# Altium PCB PCB.PcbDoc (part 2 of 4)
Units mil, origin at the board's own origin, x right, y up, seen from the top; angles counter-clockwise.
Board outline 3543.31 x 3543.31 mil, 6 copper layers (Component Side, Top GND, Dummy Layer, Fast Signals, Bottom GND, Solder Side), stack 58.819 mil thick; 209 components, 240 nets, 1195 pads, 663 vias.
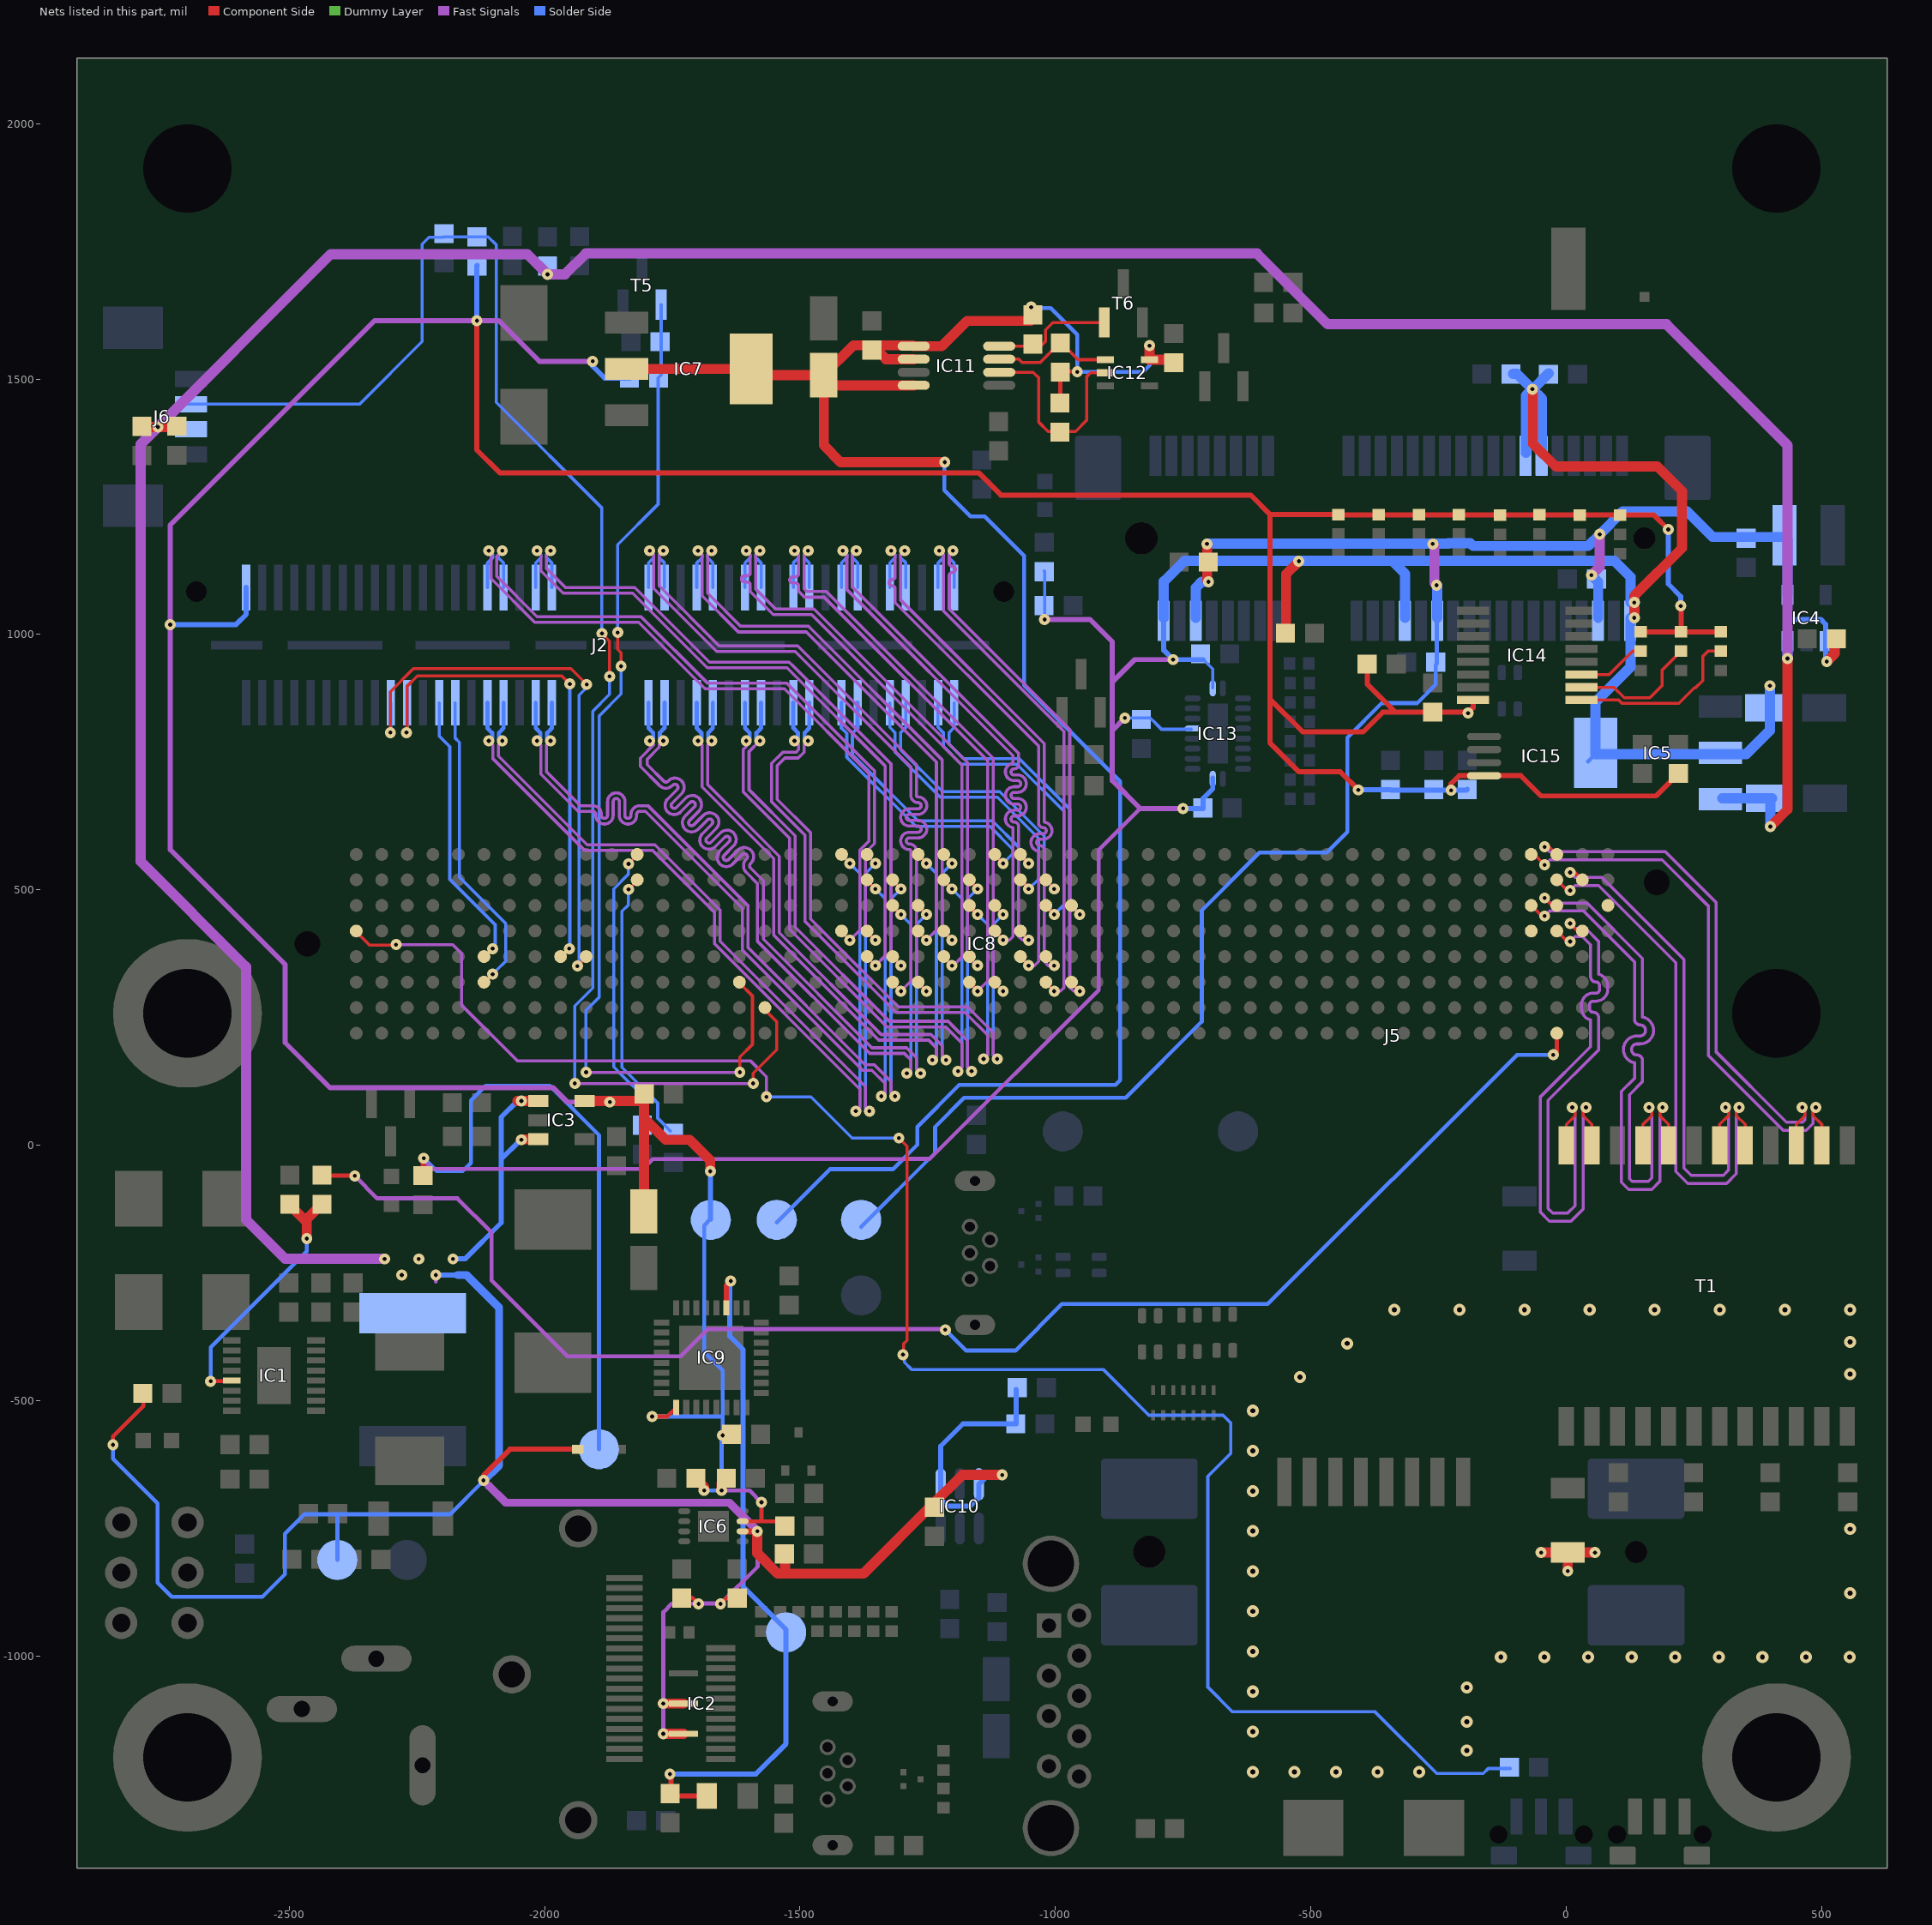
[diagram p6: the nets of this part, all layers, seen from the top]

## Via types
v1: diameter 21.65, hole 7.87, Component Side to Solder Side, tented both sides, 463 vias
v2: diameter 23.62, hole 9.84, Component Side to Solder Side, tented both sides, 102 vias
v3: diameter 21.65, hole 7.87, Component Side to Solder Side, 96 vias
v4: diameter 19.68, hole 7.87, Component Side to Solder Side, 1 vias
v5: diameter 23.62, hole 9.84, Component Side to Solder Side, 1 vias

## Nets (pads, with @x,y where several pads share a name; then routed paths per layer and width w, separated by ;. In a path a pad name is that pad's centre, name@x,y a point inside that pad or via, vN(x,y) a via of type N, cw(c..) or ccw(c..) an arc to the next point about the centre after c; other vN are vias at no path point)
1V5: C13.2 C14.1 C36.1 C37.1 IC4.4 J5.6 J5.28 J5.48 L8.2 TP5.1 | length 3739
  Component Side w19.68: v1(-703.55,1177.16) -702.95,1176.56 -702.95,1143.7 -702.95,1105.56 v1(-700.55,1103.16)
  Fast Signals w20: v3(-261.42,1177.16) -258.31,1174.05 -258.31,1100.63 v1(-254.13,1096.46) ; v3(49.02,1116.14) 65.41,1132.54 v3(65.41,1196)
  Solder Side w7.87: TP5.1@-1380.55,-159.84 -1235.54,-14.83 -1235.54,36.17 -1178.55,93.16 -862.55,93.16 -713.55,242.16 -713.55,459.91 -600.3,573.16 -468.9,573.16 -428.74,613.31 -428.74,798.03 -361.2,865.57 -291.94,865.57 -255.54,901.97 -255.54,940.91 -253.54,942.91 -253.54,1031.5 J5.28@-252.56,1032.48
  Solder Side w20: J5.6@-725,1032.48 -725,1091.71 -713.55,1103.16 v1(-700.55,1103.16) ; v1(-703.55,1177.16) -703.07,1177.64 v3@-260.94,1177.64 ; v3(-261.42,1177.16) v3@-260.94,1177.64 ; J5.28@-252.56,1032.48 v1@-252.56,1096.46 ; -230.51,1177.64 v3@-260.94,1177.64 ; -230.51,1178.61 -188.24,1178.61 -182.79,1173.16 42.57,1173.16 v3(65.41,1196) 110.28,1240.87 236.22,1240.87 286.27,1190.83 352.17,1190.83 L8.2@423.9,1190.83 ; v3(49.02,1116.14) 62.4,1102.76 J5.48@62.4,1032.48 ; IC4.4@432.87,1077.76 L8.2@432.87,1187.99
1V8: C9.1 C10.1 C26.2 C28.2 C61.2 IC3.6 IC6.7 IC9.1 IC14.16 IC15.8 J2.80 R3.2 R10.2 R11.2 R20.2 R26.2 R34.2 R42.2 R43.2 R49.2 R50.2 R51.1 R55.2 R56.2 R57.1 R61.2 R62.2 R63.1 R67.2 R68.2 R71.2 TP3.1 | length 9900.6
  Component Side w7.87: v1(-1789.55,-530.84) -1760.01,-530.84 IC9.1@-1742.45,-513.28 ; IC6.7@-1612.46,-736 -1534.39,-736 C26.2@-1529.55,-740.84 ; -1575.55,-736 v1(-1575.55,-698.84) v1@-1573.45,-700.95
  Component Side w10: v1(-2132.55,1614.16) -2132.55,1431.76 -2132.68,1431.64 -2132.68,1361.42 -2087.67,1316.41 -1150.27,1316.41 -1106.81,1272.95 -617.83,1272.95 -579.53,1234.65 -446.85,1234.65 R68.2@-446.46,1234.25 R62.2@-367.32,1234.25 R56.2@-288.58,1234.25 R50.2@-210.24,1234.25 R61.2@-52.36,1234.25 R49.2@104.72,1234.25 ; -580.32,1232.28 -580.32,873.62 ; v3(-407.09,695.67) -442.48,731.07 -523.19,731.07 -580.32,788.19 -580.32,873.62 ; R43.2@-389.96,942.12 -389.96,902.96 -334.84,847.83 ; v3(-225.59,694.88) -225.59,707.87 -210.04,723.43 IC15.8@-161.02,723.43 -89.17,723.43 -49.61,683.86 175.39,683.86 R71.2@219.29,727.76 ; v3@-192.52,847.83 C28.2@-261.81,847.83 -334.84,847.83 ; v3@-191.54,847.83 -182.68,856.69 IC14.16@-182.68,871.56 ; R49.2@105.12,1233.86 171.26,1233.86 v3(199.61,1205.51) ; R63.1@145.67,1005.12 R57.1@224.41,1005.12 ; v3(224.02,1055.91) 224.41,1055.51 R57.1@224.41,1005.12 ; R51.1@302.16,1005.12 R57.1@224.41,1005.12 ; -580.32,873.62 -516.14,809.45 -397.64,809.45 -359.25,847.83 -334.84,847.83
  Component Side w19.68: IC3.6@-1921.46,86.61 -1810.62,86.61 -1805.55,91.68 C9.1@-1805.55,-136.61 ; -1804.33,51.98 -1763.18,10.83 -1716.22,10.83 -1675.55,-29.84 v1(-1675.55,-50.84) ; R11.2@-1704.84,-651.84 -1687.65,-669.03 v3(-1687.65,-675.74) ; v3(-1653.45,-675.74) -1653.45,-662.14 R10.2@-1643.15,-651.84 ; v1(-1651.55,-567.84) -1649.55,-565.84 R20.2@-1624.45,-565.84
  Fast Signals w7.87: v3(-1653.45,-675.74) -1598.65,-675.74 v1(-1575.55,-698.84)
  Fast Signals w10: v1(-1905.91,1534.65) -2010.24,1534.65 -2089.75,1614.16 v1(-2132.55,1614.16) -2332.69,1614.16 -2732.68,1214.17 v3(-2732.68,1019.29) -2732.68,578.74 -2507.87,353.94 -2507.87,200.79 -2419.96,112.87 -1983.15,112.87 -1954.92,84.65 v1(-1872.24,84.65)
  Solder Side w7.87: v1(-1789.55,-530.84) -1651.55,-530.84 ; v3(-1687.65,-675.74) v3(-1653.45,-675.74) -1653.45,-569.74 v1(-1651.55,-567.84) -1651.55,-530.84 ; TP3.1@-1675.55,-144.84 -1687.55,-156.84 -1687.55,-404.84 -1651.55,-440.84 -1651.55,-530.84
  Solder Side w10: v3@-2732.68,1016.54 -2735.83,1016.54 -2738.58,1019.29 -2603.94,1019.29 -2584.21,1039.02 J2.80@-2584.21,1091.89 ; v1(-2132.55,1614.16) -2132.55,1721.98 R34.2@-2132.09,1722.44 ; v1(-1905.91,1534.65) -1905.91,1525.2 -1882.68,1501.97 R3.2@-1832.76,1501.97 ; TP3.1@-1675.55,-144.84 v1(-1675.55,-50.84) ; v3(-407.09,695.67) -344.69,695.67 R42.2@-344.1,696.26 -342.72,694.88 v3(-225.59,694.88) -195.87,694.88 C61.2@-194.1,696.65 ; v3(199.61,1205.51) 199.61,1098.82 224.02,1074.41 v3(224.02,1055.91)
  other v3: -192.52,846.06
3V3: C8.1 C38.1 C39.1 C46.2 C47.2 C48.2 IC5.2 IC5.4 IC13.1 IC13.6 IC13.10 J5.2 J5.24 J5.39 J5.41 J5.52 R13.2 R31.2 R35.2 R39.2 TP6.1 | length 7558.1
  Component Side w10: R35.2@-2237.87,-60.33 -2237.87,-26.7 v1(-2236.54,-25.36)
  Component Side w19.68: R13.2@-548.76,996.06 -548.76,1118.17 v3(-523.62,1143.31) ; v1@-65.78,1480.16 -65.78,1373.87 -20.78,1328.87 177.82,1328.87 226.38,1280.31 226.38,1168.9 133.07,1075.59 v3(133.07,1062.6) ; v3(133.07,1032.68) 133.07,1051.57
  Fast Signals w7.87: v1@-2239.93,-26.3 -2220.21,-46.02 -1807.65,-46.02 -1788.47,-26.84 -1270.83,-26.84 ; -1293.37,-26.54 -1246.09,-26.54 -915.55,304 -915.55,578.25 -834.35,659.45
  Fast Signals w10: v1(-1021.33,1029.15) -932.38,1029.15 -888.78,985.55 -888.78,906.87 ; v1(-864.25,836.5) -888.78,811.97 ; v1(-769.69,950.79) -844.87,950.79 -888.78,906.87 ; v1(-750.2,659.45) -834.35,659.45 -888.78,713.87 -888.78,811.97 ; -888.78,811.97 -888.78,906.87
  Solder Side w6: R31.2@-1021.85,1124.07 -1021.33,1123.55 -1021.33,1056.59 v1(-1021.33,1029.15) ; v1(-864.25,836.5) -836.81,836.5 -814.4,836.5 -803.39,825.49 -803.39,825.4 -792.41,814.42 IC13.6@-734,814.42 ; C47.2@-710.71,950.79 -692.13,932.2 IC13.10@-692.13,895.67
  Solder Side w7.87: v1(-2236.54,-25.36) -2211.23,-50.67 -2160.38,-50.67 -2143.9,-34.19 -2143.9,87.81 -2115.55,116.16 -1989.55,116.16 -1893.55,20.16 TP6.1@-1893.55,-594.84 ; IC5.4@42.72,751.57 IC5.4@56.89,765.75
  Solder Side w10: J5.2@-787.99,1032.48 -787.99,969.09 v1(-769.69,950.79) C47.2@-710.71,950.79 ; v1(-750.2,659.45) -710.71,659.45 -710.71,679.25 -692.13,697.83 IC13.1@-692.13,718.5
  Solder Side w20: J5.2@-787.99,1032.48 -787.99,1103.66 -747.78,1143.87 -340.78,1143.87 ; J5.24@-315.55,1032.48 -315.55,1118.65 -340.78,1143.87 ; C39.1@-104.53,1509.84 -96.24,1509.84 v1(-66.55,1480.16) ; J5.39@-79.33,1355.31 -79.33,1467.38 v1(-66.55,1480.16) ; J5.41@-47.83,1355.31 -47.83,1461.44 v1(-66.55,1480.16) ; C38.1@-34.55,1511.16 -65.55,1480.16 v1(-66.55,1480.16) ; J5.52@125.39,1032.48 125.39,936.05 56.89,867.54 56.89,765.75 300.98,765.75 352.17,765.75 398.43,812.01 398.43,856.3 v1(398.43,899.61) ; J5.52@125.39,1062.6 125.39,1112.7 94.22,1143.87 -340.78,1143.87
5V0: C12.2 C17.1 C27.2 C34.2 C43.2 C52.2 D7.A F1.2 IC2.13 IC2.14 IC3.1 IC3.3 IC4.1 IC4.3 IC5.3 IC6.6 IC10.1 IC10.3 J6.2 R6.2 R9.2 R18.2 R19.2 R21.2 R33.2 TP2.1 | length 11763.5
  Component Side w7.87: v3(-2844.88,-586.22) -2844.88,-569.69 -2785.37,-510.18 R6.2@-2785.37,-485.43 ; R9.2@-1731.5,-885.47 -1710.92,-885.47 v3(-1698.58,-897.81) ; v3(-1655.53,-897.81) -1643.18,-885.47 R19.2@-1623.07,-885.47
  Component Side w10: v3(-2119.45,-655.93) -2119.45,-646.52 -2067.77,-594.84 D7.A@-1935.09,-594.84
  Component Side w11.81: IC6.6@-1612.46,-755.69 v3(-1583.61,-755.69)
  Component Side w19.68: C52.2@-2788.13,1406.15 -2756.7,1406.15 v1(-2756.64,1406.21) C43.2@-2721.26,1406.21 ; v1@-2053.35,86.61 v1(-2045.47,86.61) IC3.1@-2012.01,86.61 ; v1@-2046.78,10.87 -2045.84,11.81 IC3.3@-2012.01,11.81 ; v3(-1767.61,-1151.9) IC2.13@-1727.97,-1151.9 ; v3(-1767.61,-1092.84) IC2.14@-1727.97,-1092.84 ; v1(399.41,624.02) 432.87,657.48 v1(432.87,952.76) ; v1(509.65,946.85) 525.28,962.48 C12.2@525.28,998.03
  Component Side w20: v3(-1583.61,-755.69) -1583.61,-798.64 -1543.79,-838.46 -1530.53,-838.46 ; C27.2@-1529.6,-800 -1529.6,-837.53 -1530.53,-838.46 ; v1(-1104.28,-645.37) -1182.58,-645.37 -1241.55,-704.34 -1375.66,-838.46 -1530.53,-838.46
  Fast Signals w7.87: -2212.8,-266.6 v1(-2212.8,-253.94) ; v3(-1767.61,-1151.9) v3(-1767.61,-1092.84) -1767.61,-913.69 -1750.95,-897.04 -1691.62,-897.04 -1691.37,-896.79 -1654.99,-896.79 -1582.88,-824.68 v3@-1582.88,-754.96
  Fast Signals w15.75: -2109.89,-666.73 -2108.65,-666.73 -2075.77,-699.61 -1638.24,-699.61 v3@-1582.88,-754.96
  Fast Signals w20: v1(-2313.19,-222.44) -2507.56,-222.44 -2584.39,-145.62 -2584.39,349.35 -2790.55,555.51 -2790.55,1372.44 -2418.5,1744.49 -2033.86,1744.49 v3(-1994.29,1704.92) -1960.04,1704.92 -1919.29,1745.67 -605.51,1745.67 -467,1607.16 195.94,1607.16 432.87,1370.22 v1(432.87,952.76)
  Solder Side w7.87: v3(-2844.88,-586.22) -2844.88,-613.39 -2757.48,-700.79 -2757.48,-855.91 -2729.53,-883.86 -2552.36,-883.86 -2508.27,-839.76 -2508.27,-760.24 -2470.47,-722.44 -2406.28,-722.44 ; TP2.1@-2405.55,-811.84 -2405.55,-723.17 -2406.28,-722.44 ; v3@-2120.99,-658.47 -2184.96,-722.44 -2406.28,-722.44
  Solder Side w10: v1(-2756.64,1406.21) -2714.32,1406.21 -2709.39,1401.29 J6.2@-2707.52,1401.29 ; v1(-2212.8,-253.94) -2169.87,-253.94 ; v1(-2179.33,-222.44) -2155.71,-222.44 -2084.84,-151.57 -2084.84,-27.19 ; v1@-2053.35,86.61 -2084.84,55.12 -2084.84,-27.19 ; v1@-2046.78,10.87 -2084.84,-27.19 ; v1@-1104.28,-643.84 -1130.26,-643.84 IC10.3@-1149.8,-663.39 -1149.8,-688.98 -1167.52,-706.69 -1210.7,-706.69 -1224.61,-692.79 IC10.1@-1224.61,-663.39 -1224.61,-588.9 -1180.98,-545.28 -1076.85,-545.28 C34.2@-1076.85,-478.35 ; IC4.3@432.87,987.2 432.87,1019.68 442.72,1029.53 497.83,1029.53 507.68,1019.68 IC4.1@507.68,987.2 507.68,948.82 v1(509.65,946.85)
  Solder Side w15.75: -2169.87,-253.94 -2152.67,-253.94 -2089.07,-317.54 -2089.07,-626.6 v3@-2118.92,-656.45
  Solder Side w20: IC5.3@304.92,679.13 C17.1@402.36,679.13 ; v1(399.41,624.02) C17.1@399.41,676.18 ; v1(432.87,952.76) IC4.3@432.87,987.2
  other v1: -2279.72,-253.94 -2246.26,-222.44 -2045.47,10.87
5V0_EN: IC1.13 R2.1 R4.1 | length 526.3
  Component Side w7.87: v1(-2653.55,-461.84) -2613.44,-461.84 IC1.13@-2612.22,-460.63
  Component Side w19.68: R2.1@-2498.55,-117.34 -2465.55,-150.34 ; v1(-2465.55,-182.65) -2465.55,-150.34 ; R4.1@-2435.55,-114.34 -2465.55,-144.34 -2465.55,-150.34
  Solder Side w7.87: v1(-2653.55,-461.84) -2653.55,-395.68 -2465.55,-207.68 v1(-2465.55,-182.65)
5V0_STB: C35.1 C40.1 C41.2 IC7.2 IC7.4 IC11.1 IC11.2 IC11.4 IC12.5 R38.2 R45.2 R46.2 TP4.1 | length 4191.1
  Component Side w7.87: R46.2@-994.27,1452.07 -990.6,1455.74 -990.6,1514.66 -964.46,1514.66 v1@-957.68,1507.87
  Component Side w19.68: IC7.2@-1839.69,1519.84 IC7.4@-1595.59,1519.84 ; IC7.4@-1583.39,1507.64 C35.1@-1453.86,1507.64 ; C35.1@-1433.79,1487.57 IC11.4@-1277.55,1487.57 ; IC11.1@-1279.32,1566.11 C41.2@-1359.24,1566.11 ; IC11.2@-1277.55,1538.75 -1331.88,1538.75 C41.2@-1359.24,1566.11 ; IC11.1@-1277.55,1564.34 -1222.43,1564.34 -1173.08,1613.69 -1048.22,1613.69 R38.2@-1048.22,1623.19 ; v1(-1216.7,1337.16) -1420.55,1337.16 -1453.55,1370.16 -1453.55,1507.33 C35.1@-1453.86,1507.64 ; v1(-815.94,1565.32) IC12.5@-815.94,1537.76 C40.1@-769.48,1537.76 ; C35.1@-1453.86,1507.64 -1395.39,1566.11 C41.2@-1359.24,1566.11
  Solder Side w7.87: TP4.1@-1545.55,-150.84 -1441.55,-46.84 -1318.55,-46.84 -1270.55,1.16 -1270.55,36.16 -1188.55,118.16 -882.55,118.16 -873.23,127.48 -873.23,712.32 -1061.55,900.65 -1061.55,1154.16 -1138.55,1231.16 -1166.27,1231.16 -1217.55,1282.44 v1@-1217.55,1338.16 ; v1(-1047.41,1640.77) -1045.41,1638.76 -1009.15,1638.76 -957.42,1587.03 v1(-957.42,1514.06) -828.66,1514.05 -815.94,1526.77 v1(-815.94,1565.32)
5V_USB_D: C31.2 IC9.19 L3.1 TP9.1 | length 1373.8
  Component Side w10: v1(-1754.55,-1230.84) -1752.55,-1232.84 -1752.55,-1273.84 L3.1@-1682.55,-1273.84 ; IC9.19@-1644.02,-318.4 -1644.02,-274.17 v1(-1635.7,-265.84)
  Solder Side w10: v1(-1754.55,-1230.84) -1586.55,-1230.84 -1527.31,-1171.6 TP9.1@-1527.31,-953.6 -1527.31,-948.04 -1611.55,-863.8 -1611.55,-399.84 -1637.55,-373.84 -1637.55,-267.69 v1(-1635.7,-265.84)
A0: IC14.1 R51.2 R54.2 | length 344.8
  Component Side w5.91: IC14.1@29.92,871.56 102.5,871.56 108.9,865.16 220.4,865.16 250.52,895.28 252.36,895.28 266.93,909.84 266.93,957.09 277.05,967.21 R54.2@302.16,967.21
A1: IC14.2 R57.2 R60.2 | length 258.5
  Component Side w5.91: IC14.2@29.92,896.56 92.81,896.56 113.39,875.98 163.39,875.98 187.8,900.39 187.8,930.59 R60.2@224.41,967.21
A2: IC14.3 R63.2 R66.2 | length 134.7
  Component Side w5.91: IC14.3@29.92,921.56 83.76,921.56 129.41,967.21 R66.2@145.67,967.21
CAM_SCL_1V8: IC8.C6 J2.53 | length 595.9
  Component Side w5: IC8.C6@-2118.66,317.91 v1(-2101.62,334.95)
  Solder Side w6: J2.53@-2174.76,866.3 -2174.76,796.86 -2166.78,788.87 -2166.78,524.87 -2075.78,433.87 -2075.78,360.8 -2093.7,342.87
CAM_SDA_1V8: IC8.D6 J2.55 | length 552.9
  Component Side w5: IC8.D6@-2118.66,367.91 v1(-2101.62,384.95)
  Component Side w6: v1(-2101.62,384.95) v1@-2096.65,389.92
  Solder Side w6: J2.55@-2206.26,866.3 -2206.26,800.87 -2185.63,780.24 -2185.63,520.72 -2096.65,431.75 v1@-2096.65,389.92
CAM_UART_RX_1V8: IC8.D10 J2.61 | length 1143.3
  Component Side w6: v1(-2301.8,807.87) -2301.8,887.85 -2256.78,932.87 -1948.27,932.87 v1(-1917.55,902.16) ; v1(-1935.7,350.87) IC8.D10@-1918.66,367.91
  Solder Side w6: v1(-2301.8,807.87) -2300.75,808.93 J2.61@-2300.75,866.3 ; v1@-1929.78,350.87 v1(-1935.7,350.87) -1932.78,353.8 -1932.78,880.93 -1917.55,896.16 v1(-1917.55,902.16)
CAM_UART_TX_1V8: IC8.D9 J2.59 | length 1026.6
  Component Side w6: v1(-2270.31,807.87) -2268.78,809.4 -2268.78,899.22 -2248.95,919.05 -1966.44,919.05 v1(-1950.55,903.16) ; IC8.D9@-1968.66,367.91 v1(-1951.62,384.95)
  Solder Side w6: v1(-2270.31,807.87) -2269.25,808.93 J2.59@-2269.25,866.3 ; v1(-1951.62,384.95) -1950.55,386.02 v1(-1950.55,903.16)
CARRIER_PWR_ON: IC8.A48 R4.2 | length 2938.8
  Component Side w7.87: R4.2@-2435.55,-59.34 -2372.05,-59.34 v1(-2371.55,-59.84) ; v1(-25.55,177.16) -18.66,184.05 IC8.A48@-18.66,218.42
  Fast Signals w7.87: v1(-2371.55,-59.84) -2327.55,-103.84 -2170.55,-103.84 -2103.55,-170.84 -2103.55,-264.84 -1955.55,-412.84 -1733.55,-412.84 -1680.55,-359.84 -1216.94,-359.84 v1(-1215.61,-361.17)
  Dummy Layer w7.87: v1(-2371.55,-59.84) v1@-2367.55,-59.84
  Solder Side w7.87: v1(-1215.61,-361.17) -1174.94,-401.84 -1078.55,-401.84 -987.55,-310.84 -584.55,-310.84 -96.55,177.16 v1(-25.55,177.16)
CSI0_CLK_N: IC8.G27 J2.9 | length 586.4
  Component Side w8: IC8.G27@-1068.66,519.49 -1052.5,503.33 v1(-1052.5,501.76)
  Solder Side w5: v1(-1052.5,501.76) v1@-1049.39,501.76
  Solder Side w5.98: J2.9@-1324.25,866.3 -1324.25,817.9 -1314,807.64 -1314,769.61 -1225.56,681.17 -1113.57,681.17 -1033,600.6 -1033,521.26 v1(-1052.5,501.76)
CSI0_CLK_P: IC8.G28 J2.7 | length 585.7
  Component Side w5: IC8.G28@-1018.66,519.49 -1018.66,517.91 v1(-1002.5,501.76)
  Solder Side w5: v1@-1004.87,501.76 v1(-1002.5,501.76)
  Solder Side w5.98: J2.7@-1292.76,866.3 -1292.76,817.9 -1303.01,807.64 -1303.01,774.16 -1221.01,692.16 -1109.02,692.16 -1022.01,605.15 -1022.01,521.26 v1(-1002.5,501.76)
CSI0_D0_N: IC8.F28 J2.3 | length 619
  Component Side w8: IC8.F28@-1018.66,469.49 -1002.5,453.33 v1(-1002.5,451.76)
  Solder Side w5: v1(-1002.5,451.76) v1@-996.62,451.76
  Solder Side w5.98: J2.3@-1229.76,866.3 -1229.76,817.9 -1219.51,807.64 -1219.51,781.07 -1184.6,746.16 -1075.55,746.16 -983,653.6 -983,471.26 v1(-1002.5,451.76)
CSI0_D0_P: IC8.F29 J2.1 | length 618.7
  Component Side w5: IC8.F29@-969.54,468.8 v1(-952.5,451.76)
  Solder Side w5: v1@-958.39,451.76 v1(-952.5,451.76)
  Solder Side w5.98: J2.1@-1198.27,866.3 -1198.27,817.9 -1208.52,807.64 -1208.52,785.62 -1180.05,757.14 -1071,757.14 -972.01,658.15 -972.01,471.26 v1(-952.5,451.76)
CSI0_D1_N: IC8.H26 J2.15 | length 570.8
  Component Side w5: IC8.H26@-1119.54,568.8 v1(-1102.5,551.76)
  Solder Side w5.98: -1418.74,816.9 -1408.48,806.64 -1408.48,759.56 -1273.09,624.16 -1128,624.16 -1083,579.16 -1083,571.26 v1(-1102.5,551.76)
  Solder Side w8: -1418.74,816.9 J2.15@-1418.74,866.3
CSI0_D1_P: IC8.H27 J2.13 | length 570.8
  Component Side w5: IC8.H27@-1069.54,568.8 v1(-1052.5,551.76)
  Solder Side w5.98: -1387.24,816.9 -1397.5,806.64 -1397.5,764.11 -1268.54,635.14 -1123.45,635.14 -1072.01,583.71 -1072.01,571.26 v1(-1052.5,551.76)
  Solder Side w8: -1387.24,816.9 J2.13@-1387.24,866.3
CSI1_CLK_N: IC8.D27 J2.10 | length 1099
  Component Side w6: IC8.D27@-1068.66,367.91 v1(-1052.5,351.76)
  Fast Signals w6: v1(-1321.83,1163.87) -1313.78,1155.82 -1313.78,1125.32 -1313.78,1113.32 cw(c-1319.78,1113.32) -1319.78,1107.32 ccw(c-1319.78,1101.32) -1325.78,1101.32 ccw(c-1319.78,1101.32) -1319.78,1095.32 cw(c-1319.78,1089.32) -1313.78,1089.32 -1313.78,1083.87 -1313.78,1062.32 -1033,781.54 -1033,630.87 ccw(c-1024,630.87) -1024,621.87 cw(c-1024,615.87) -1018,615.87 cw(c-1024,615.87) -1024,609.87 -1031,609.87 ccw(c-1031,592.87) -1033,575.99 -1033,359.87 -1041.12,351.76 v1(-1052.5,351.76)
  Solder Side w6: J2.10@-1324.25,1091.89 -1324.25,1139.9 -1314,1150.15 -1314,1156.05 v1(-1321.83,1163.87)
CSI1_CLK_P: IC8.D28 J2.8 | length 1086.4
  Component Side w5: IC8.D28@-1019.54,368.8 v1(-1002.5,351.76)
  Fast Signals w6: v1(-1295.18,1163.87) -1302.78,1156.27 -1302.78,1066.87 -1022,786.1 -1022,632.76 cw(c-1024,615.87) -1007,615.87 cw(c-1024,615.87) -1024,598.87 -1031,598.87 ccw(c-1031,592.87) -1031,586.87 cw(c-1031,577.87) -1022,577.87 -1022,359.87 -1013.89,351.76 v1(-1002.5,351.76)